# Altium PCB APC1_OBC.PcbDoc
Units mil, origin at the board's own origin, x right, y up, seen from the top; angles counter-clockwise.
Board outline 1732.28 x 1732.28 mil, 2 copper layers (Top Layer, Bottom Layer), stack 62.209 mil thick; 54 components, 78 nets, 325 pads, 219 vias.
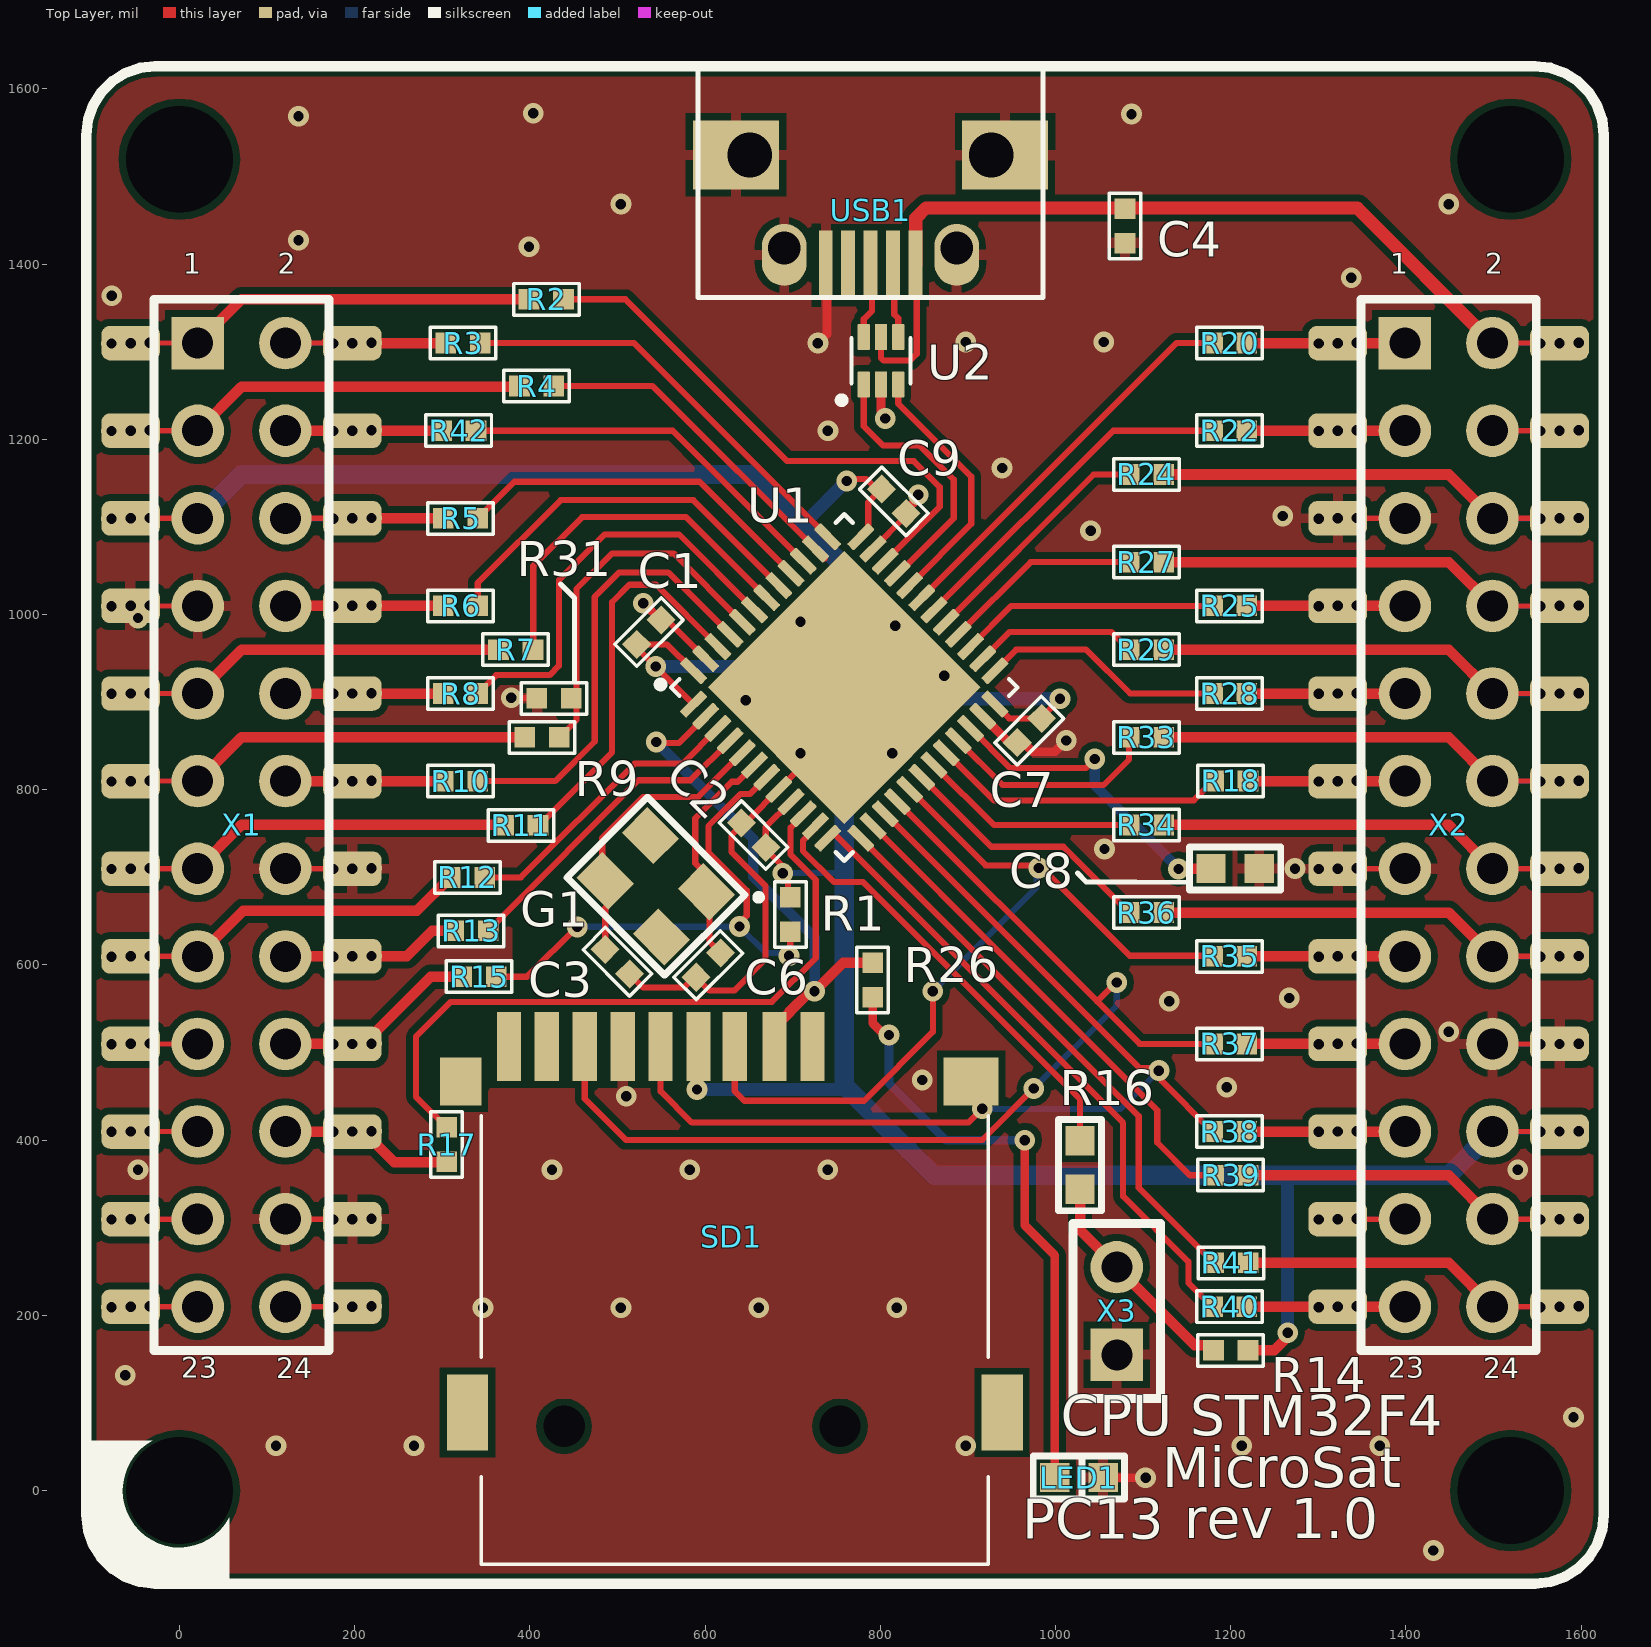
[diagram p0: Top Layer view]
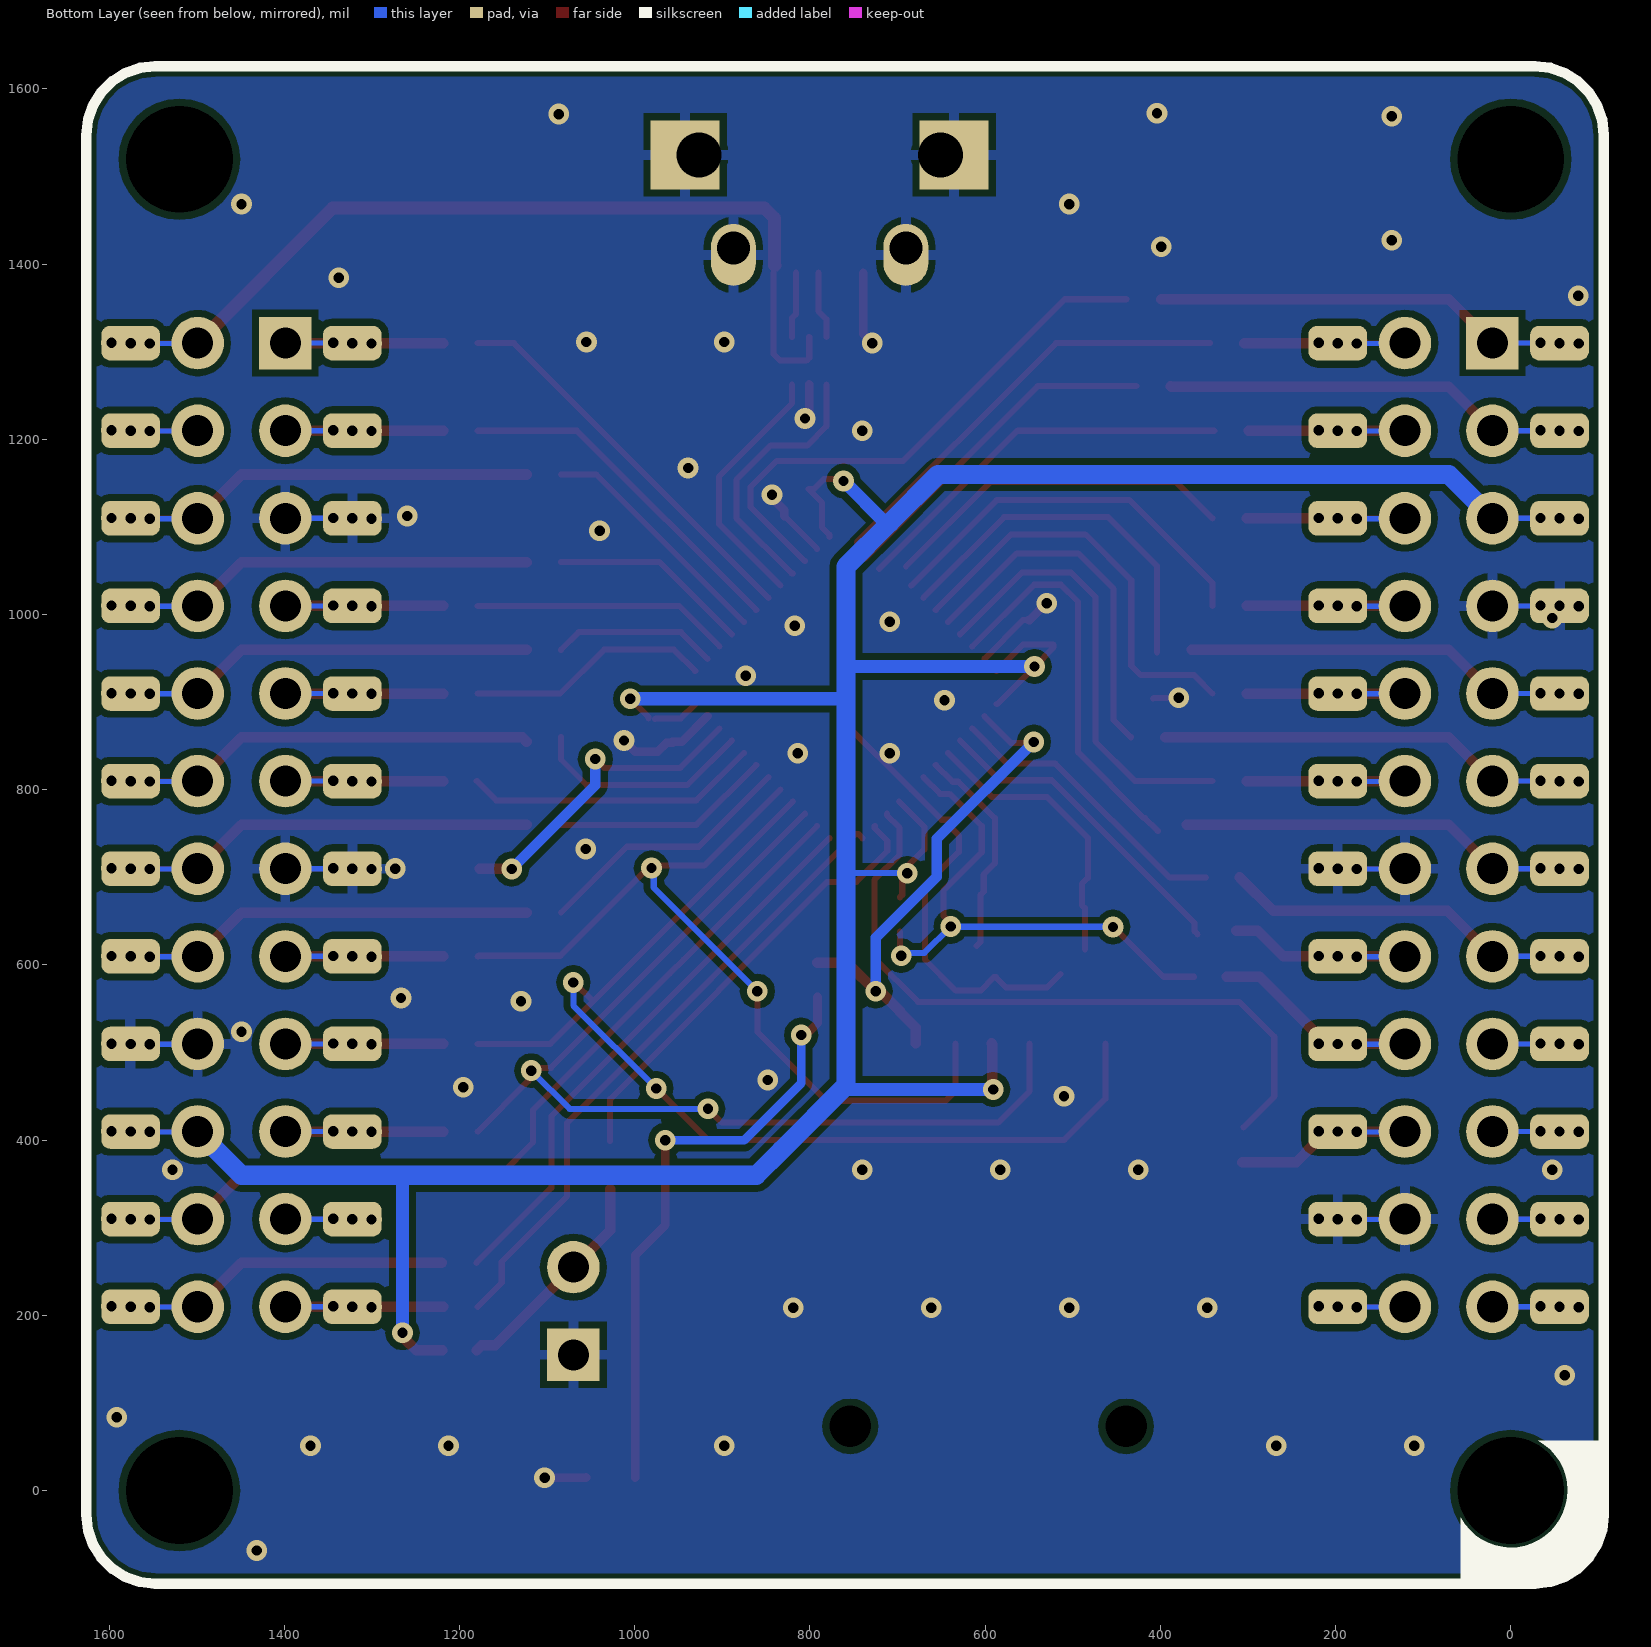
[diagram p1: Bottom Layer view, seen from below]

## Layer stack, top to bottom
Top Solder: solder mask 0.4, Solder Resist, Dk 3.5
Top Layer: signal copper 1.4
Dielectric 1: dielectric 59.4094, FR-4, Dk 4.8
Bottom Layer: signal copper 1.4
Bottom Solder: solder mask 0.4, Solder Resist, Dk 3.5

## Board outline
-106.3,-27.56 -104.33,-45.08 -98.5,-61.72 -89.12,-76.65 -76.65,-89.12 -61.72,-98.5 -45.08,-104.33 -27.56,-106.3 1547.24,-106.3 1564.77,-104.33 1581.41,-98.5 1596.34,-89.12 1608.81,-76.65 1618.19,-61.72 1624.01,-45.08 1625.98,-27.56 1625.98,1547.24 1624.01,1564.77 1618.19,1581.41 1608.81,1596.34 1596.34,1608.81 1581.41,1618.19 1564.77,1624.01 1547.24,1625.98 -27.56,1625.98 -45.08,1624.01 -61.72,1618.19 -76.65,1608.81 -89.12,1596.34 -98.5,1581.41 -104.33,1564.77 -106.3,1547.24

## Design rules (kind name [scope] priority, off if disabled: settings)
BoardOutlineClearance [All] p1: gap=11.81 ignorepadtopadclearanceinfootprint=FALSE
Clearance Clearance_MultiLayerPad [OnLayer('Multi-Layer') and IsPad] p1: gap=7.87 ignorepadtopadclearanceinfootprint=FALSE except(0: Arc-Hole Track-Hole SMDPad-Hole THPad-Hole Via-Hole Fill-Hole Poly-Hole Region-Hole Text-Hole)
Clearance Clearance_Polygon [InPolygon] p2: gap=5.91 ignorepadtopadclearanceinfootprint=FALSE except(0: Arc-Hole Track-Hole SMDPad-Hole THPad-Hole Via-Hole Fill-Hole Poly-Hole Region-Hole Text-Hole; 7.87: Arc-Poly Arc-Region Track-Poly Track-Region SMDPad-Poly SMDPad-Region THPad-Poly THPad-Region Via-Poly Via-Region Fill-Poly Fill-Region Poly-Poly Poly-Region)
Clearance [All] p3: gap=5.91 ignorepadtopadclearanceinfootprint=FALSE except(0: Arc-Hole Track-Hole SMDPad-Hole THPad-Hole Via-Hole Fill-Hole Poly-Hole Region-Hole Text-Hole)
ComponentClearance [All] p1: gap=19.68 collisioncheckmode=3 verticalgap=19.68 showdistances=FALSE
DiffPairsRouting [All] p1: maxlimit=15.75 minlimit=5.91 mostfreqgap=11.81 toplayer_minwidth=5.91 toplayer_maxwidth=11.81 toplayer_prefwidth=5.91 bottomlayer_minwidth=5.91 bottomlayer_maxwidth=11.81 bottomlayer_prefwidth=5.91 maxuncoupledlength=500
Height [All] p1: minheight=0 maxheight=1968.5 prefheight=500
HoleSize [All] p1: absolutevalues=TRUE maxlimit=393.7 minlimit=11.81 maxpercent=80.000 minpercent=20.000
HoleToHoleClearance [All] p1: gap=8 allowstackedmicrovias=TRUE
MinimumSolderMaskSliver [All] p1: minsoldermaskwidth=7.87
PlaneClearance [All] p1: clearance=19.68
PlaneConnect [All] p1: planeconnectstyle=Relief reliefexpansion=19.68 reliefentries=4 reliefconductorwidth=11.81 reliefairgap=7.87
PolygonConnect PolygonConnect_PadGND [InNet('GND') and IsPad] p1: connectstyle=Relief reliefconductorwidth=11.81 reliefentries=4 polygonreliefangle="90 Angle" airgapwidth=7.87
PolygonConnect PolygonConnect_Via [IsVia] p2: connectstyle=Direct reliefconductorwidth=10 reliefentries=4 polygonreliefangle="90 Angle" airgapwidth=10
PolygonConnect [All] p3: connectstyle=Relief reliefconductorwidth=11.81 reliefentries=4 polygonreliefangle="90 Angle" airgapwidth=7.87
RoutingVias [All] p1: holewidth=11.81 width=27.56 viastyle="Through Hole" minholewidth=11.81 minwidth=23.62 maxholewidth=19.68 maxwidth=47.24
SilkToSolderMaskClearance [IsPad] p1: minsilkscreentomaskgap=7.87 clearancetoexposedcopper=TRUE
SolderMaskExpansion [All] p1: expansion=2.95 istentingtop=FALSE
Width [All] p1: maxlimit=393.7 minlimit=6 preferedwidth=9
21 further rules are at their usual default settings.

## Components (designator, comment, footprint, x,y, rotation, side; value= is the part's Value field where it differs from the comment)
C1 "CERCAP 0402 0.1uF * X7R" "CERCAP 0402" 535.93,979.89 r225 top value=0.1uF
C2 "CERCAP 0402 0.1uF * X7R" "CERCAP 0402" 655.43,748.21 r315 top value=0.1uF
C3 "CERCAP 0402 22pF * X7R" "CERCAP 0402" 499.9,603.76 r135 top value=22pF
C4 "CERCAP 0402 0.1uF * X7R" "CERCAP 0402" 1079.45,1443.59 r90 top value=0.1uF
C6 "CERCAP 0402 22pF * X7R" "CERCAP 0402" 603.82,599.84 r45 top value=22pF
C7 "CERCAP 0402 0.1uF * X7R" "CERCAP 0402" 970.26,867.6 r45 top value=0.1uF
C8 "CERCAP 0603 4.7uF * X7R" "CERCAP 0603" 1205,710 r180 top value=4.7uF
C9 "CERCAP 0402 0.1uF * X7R" "CERCAP 0402" 815.46,1129.24 r135 top value=0.1uF
G1 "32258 MHz" 3225 543.82,689.84 r135 top value="8 MHz"
LED1 "LED 0603 Blue" "LED 0603" 1026.82,14.84 r0 top value=Blue
R1 "RES 0402 10k" "RES 0402" 697.3,657.62 r90 top value=10k
R2 "RES 0402 330" "RES 0402" 418.82,1359.84 r180 top value=330
R3 "RES 0402 330" "RES 0402" 323.82,1309.84 r0 top value=330
R4 "RES 0402 330" "RES 0402" 407.77,1260.78 r180 top value=330
R5 "RES 0402 330" "RES 0402" 320.87,1109.84 r0 top value=330
R6 "RES 0402 330" "RES 0402" 320.87,1009.84 r0 top value=330
R7 "RES 0402 330" "RES 0402" 383.82,959.84 r180 top value=330
R8 "RES 0402 330" "RES 0402" 320.87,909.84 r0 top value=330
R9 "RES 0402 330" "RES 0402" 413.82,859.84 r180 top value=330
R10 "RES 0402 330" "RES 0402" 320.87,809.84 r0 top value=330
R11 "RES 0402 330" "RES 0402" 389.67,759.36 r180 top value=330
R12 "RES 0402 330" "RES 0402" 328.82,699.84 r180 top value=330
R13 "RES 0402 330" "RES 0402" 332.9,638.86 r0 top value=330
R14 "RES 0402 10k" "RES 0402" 1200,160 r0 top value=10k
R15 "RES 0402 330" "RES 0402" 341.97,586.58 r0 top value=330
R16 "RES 0603 330" "RES 0603" 1028.08,371.59 r270 top value=330
R17 "RES 0402 330" "RES 0402" 305,395 r90 top value=330
R18 "RES 0402 330" "RES 0402" 1200,810 r0 top value=330
R20 "RES 0402 330" "RES 0402" 1198.82,1309.84 r0 top value=330
R22 "RES 0402 330" "RES 0402" 1198.82,1209.84 r0 top value=330
R24 "RES 0402 330" "RES 0402" 1103.82,1159.84 r180 top value=330
R25 "RES 0402 330" "RES 0402" 1198.82,1009.84 r0 top value=330
R26 "RES 0402 4.7k" "RES 0402" 791.33,582.95 r270 top value=4.7k
R27 "RES 0402 330" "RES 0402" 1103.82,1059.84 r180 top value=330
R28 "RES 0402 330" "RES 0402" 1198.82,909.84 r0 top value=330
R29 "RES 0402 330" "RES 0402" 1103.82,959.84 r180 top value=330
R31 "RES 0402 10k" "RES 0402" 427.7,904.33 r180 top value=10k
R33 "RES 0402 330" "RES 0402" 1103.82,859.84 r180 top value=330
R34 "RES 0402 330" "RES 0402" 1103.82,759.84 r180 top value=330
R35 "RES 0402 330" "RES 0402" 1198.82,609.84 r0 top value=330
R36 "RES 0402 330" "RES 0402" 1103.82,659.84 r180 top value=330
R37 "RES 0402 330" "RES 0402" 1198.82,509.84 r0 top value=330
R38 "RES 0402 330" "RES 0402" 1198.82,409.84 r0 top value=330
R39 "RES 0402 330" "RES 0402" 1200,360 r180 top value=330
R40 "RES 0402 330" "RES 0402" 1198.82,209.84 r0 top value=330
R41 "RES 0402 330" "RES 0402" 1200.32,260 r180 top value=330
R42 "RES 0402 330" "RES 0402" 318.82,1209.84 r0 top value=330
SD1 "TF-015" TF-015 630,290 r180 top
U1 "STM32F401CCU6" QFN-48 758.87,916.73 r45 top
U2 "USBLC6-2SC6" SOT-666 800.82,1289.68 r90 top
USB1 "C319164" USB-Micro_TH 788.87,1461.73 r0 top
X1 "PLD24 + PBD24" PICOSAT_CNN 70.87,759.84 r270 top
X2 "PLD24 + PBD24" PICOSAT_CNN 1448.82,759.84 r270 top
X3 "CWF-2" PBS-2-2.54 1070,205 r90 top

## Footprints (in the part's own frame and the unit in brackets; to place one, negate y for a bottom-side part, rotate by r counter-clockwise, add the part's x,y. Pads: shape width x height; smd on the part's side, far side on the other; paste and mask are expansions set on the pad)
3225 [mm]
  rect 1.3x1.05 smd: 1(-1.15,-0.925) 2(1.15,-0.925) 3(1.15,0.925) 4(-1.15,0.925)
  silkscreen extent -2.39,-1.94 2,1.65, body extent -1.6,-1.25 1.6,1.25, height 0.81
"CERCAP 0402" [mm]
  rect 0.6x0.6 smd: 1(-0.5,0) 2(0.5,0)
  silkscreen extent -0.96,-0.46 0.95,0.46, body extent -0.51,-0.25 0.51,0.25, height 0.51
"CERCAP 0603" [mm]
  rect 0.85x0.85 smd: 1(-0.7,0) 2(0.7,0)
  silkscreen extent -1.33,-0.63 1.33,0.63, body extent -0.8,-0.4 0.8,0.4, height 0.3
"LED 0603" [mm]
  rect 0.85x0.85 smd: 1(-0.7,0) 2(0.7,0)
  silkscreen extent -1.33,-0.63 1.33,0.63, body extent -0.8,-0.4 0.8,0.4, height 0.6
PBS-2-2.54 [mil]
  rect 60x60 hole 35.43: 1(-50,0)
  round 60 hole 35.43: 2(50,0)
  silkscreen extent -100,-50 100,50
PICOSAT_CNN [mil]
  rrect50% 39.37x66.93 smd: 1(-550,-126.57) 2(-550,126.57) 3(-450,-126.57) 4(-450,126.57) 5(-350,-126.57) 6(-350,126.57) 7(-250,-126.57) 8(-250,126.57) 9(-150,-126.57) 10(-150,126.57) 11(-50,-126.57) 12(-50,126.57) 13(50,-126.57) 14(50,126.57) 15(150,-126.57) 16(150,126.57) 17(250,-126.57) 18(250,126.57) 19(350,-126.57) 20(350,126.57) 21(450,-126.57) 22(450,126.57) 23(550,-126.57) 24(550,126.57)
  rrect50% 39.37x66.93 smd far side: 1(-550,-126.57) 2(-550,126.57) 3(-450,-126.57) 4(-450,126.57) 5(-350,-126.57) 6(-350,126.57) 7(-250,-126.57) 8(-250,126.57) 9(-150,-126.57) 10(-150,126.57) 11(-50,-126.57) 12(-50,126.57) 13(50,-126.57) 14(50,126.57) 15(150,-126.57) 16(150,126.57) 17(250,-126.57) 18(250,126.57) 19(350,-126.57) 20(350,126.57) 21(450,-126.57) 22(450,126.57) 23(550,-126.57) 24(550,126.57)
  rect 60x60 hole 35.43: 1(-550,-50)
  round 60 hole 35.43: 2(-550,50) 3(-450,-50) 4(-450,50) 5(-350,-50) 6(-350,50) 7(-250,-50) 8(-250,50) 9(-150,-50) 10(-150,50) 11(-50,-50) 12(-50,50) 13(50,-50) 14(50,50) 15(150,-50) 16(150,50) 17(250,-50) 18(250,50) 19(350,-50) 20(350,50) 21(450,-50) 22(450,50) 23(550,-50) 24(550,50)
  Top Layer lines w6: 550,-104.75 550,-50 ; 450,-104.75 450,-50 ; 350,-104.75 350,-50 ; 250,-104.75 250,-50 ; 150,-104.75 150,-50 ; 50,-104.75 50,-50 ; -50,-104.75 -50,-50 ; -150,-104.75 -150,-50 ; -250,-104.75 -250,-50 ; -350,-104.75 -350,-50 ; -450,-104.75 -450,-50 ; -550,-104.75 -550,-50 ; 550,50 550,104.75 ; 450,50 450,104.75 ; 350,50 350,104.75 ; 250,50 250,104.75 ; 150,50 150,104.75 ; 50,50 50,104.75 ; -50,50 -50,104.75 ; -150,50 -150,104.75 ; -250,50 -250,104.75 ; -350,50 -350,104.75 ; -450,50 -450,104.75 ; -550,50 -550,104.75
  Bottom Layer lines w6: 550,-104.75 550,-50 ; 450,-104.75 450,-50 ; 350,-104.75 350,-50 ; 250,-104.75 250,-50 ; 150,-104.75 150,-50 ; 50,-104.75 50,-50 ; -50,-104.75 -50,-50 ; -150,-104.75 -150,-50 ; -250,-104.75 -250,-50 ; -350,-104.75 -350,-50 ; -450,-104.75 -450,-50 ; -550,-104.75 -550,-50 ; 550.41,50 550.41,104.75 ; 450.41,50 450.41,104.75 ; 350.41,50 350.41,104.75 ; 250.41,50 250.41,104.75 ; 150.41,50 150.41,104.75 ; 50.41,50 50.41,104.75 ; -49.59,50 -49.59,104.75 ; -149.59,50 -149.59,104.75 ; -249.59,50 -249.59,104.75 ; -349.59,50 -349.59,104.75 ; -449.59,50 -449.59,104.75 ; -549.59,50 -549.59,104.75
  Bottom Layer lines w7.87: -549.59,50 -550,50
  silkscreen extent -600,-100 600,100, body extent -600,-148 600,148, height 386
QFN-48 [mm]
  rrect25% 0.87x0.27 smd: 1(-3.43,2.75) 2(-3.43,2.25) 3(-3.43,1.75) 4(-3.43,1.25) 5(-3.43,0.75) 6(-3.43,0.25) 7(-3.43,-0.25) 8(-3.43,-0.75) 9(-3.43,-1.25) 10(-3.43,-1.75) 11(-3.43,-2.25) 12(-3.43,-2.75) 25(3.43,-2.75) 26(3.43,-2.25) 27(3.43,-1.75) 28(3.43,-1.25) 29(3.43,-0.75) 30(3.43,-0.25) 31(3.43,0.25) 32(3.43,0.75) 33(3.43,1.25) 34(3.43,1.75) 35(3.43,2.25) 36(3.43,2.75)
  rrect25% 0.27x0.87 smd: 13(-2.75,-3.43) 14(-2.25,-3.43) 15(-1.75,-3.43) 16(-1.25,-3.43) 17(-0.75,-3.43) 18(-0.25,-3.43) 19(0.25,-3.43) 20(0.75,-3.43) 21(1.25,-3.43) 22(1.75,-3.43) 23(2.25,-3.43) 24(2.75,-3.43) 37(2.75,3.43) 38(2.25,3.43) 39(1.75,3.43) 40(1.25,3.43) 41(0.75,3.43) 42(0.25,3.43) 43(-0.25,3.43) 44(-0.75,3.43) 45(-1.25,3.43) 46(-1.75,3.43) 47(-2.25,3.43) 48(-2.75,3.43)
  rect 5.6x5.6 smd paste-4: TH(0,0)
  silkscreen extent -3.8,-3.55 3.55,3.93, body extent -3.51,-3.51 3.51,3.51, height 0.78
"RES 0402" [mm]
  rect 0.6x0.6 smd: 1(-0.5,0) 2(0.5,0)
  silkscreen extent -0.95,-0.46 0.95,0.46, body extent -0.52,-0.25 0.48,0.25, height 0.34
"RES 0603" [mm]
  rect 0.85x0.85 smd: 1(-0.7,0) 2(0.7,0)
  silkscreen extent -1.33,-0.63 1.33,0.63, body extent -0.8,-0.4 0.8,0.4, height 0.44
SOT-666 [mm]
  rrect8% 0.75x0.35 smd: 1(-0.69,0.5) 2(-0.69,0) 3(-0.69,-0.5) 4(0.69,-0.5) 5(0.69,0) 6(0.69,0.5)
  silkscreen extent -1.24,-0.85 0.65,1.24, body extent -0.8,-0.8 0.8,0.8, height 0.6
TF-015 [mm]
  rect 0.7x2 smd: 1(-2.35,-5.504) 2(-1.25,-5.504) 3(-0.1,-5.504) 4(0.95,-5.504) 5(2.05,-5.504) 6(3.15,-5.504) 7(4.25,-5.504) 8(5.35,-5.504) 9(6.45,-5.504)
  round 0.6 hole 1.2 unplated: 14(4.85,5.504) 15(-3.15,5.504)
  rect 1.2x2.2 smd: TH(-7.85,5.104) TH(7.65,5.104)
  rect 1.6x1.4 smd: TH(-6.95,-4.496)
  rect 1.2x1.4 smd: TH(7.85,-4.496)
  silkscreen extent -7.45,-3.5 7.25,9.5, body extent -8.1,-5.75 7.9,11.3, height 2.04
USB-Micro_TH [mm]
  rect 0.4x2 smd: DM(0.65,-1.6) DP(0,-1.6) GND(-1.3,-1.6) ID(-0.65,-1.6) Vusb(1.3,-1.6)
  rect 2.5x2 / inner rect 2.5x2 / far side rect 2x2 hole 1.3 copper offset -0.4,0: TH(-3.5,1.6)
  oval 1.3x1.8 hole 0.95 copper offset 0,-0.2: TH(-2.5,-1.1) TH(2.5,-1.1)
  rect 2.5x2 / inner rect 2.5x2 / far side rect 2x2 hole 1.3 copper offset 0.4,0: TH(3.5,1.6)
  silkscreen extent -5,-2.54 5,4.23, body extent -4.05,-1.58 4,4.23, height 2.7

## Part data
C1 C2 C3 C4 C6 C7 C8 C9: library part !Capacitor, "Capacitor", Diel=X7R, IsSMT=NoSMT
G1: library part Crystal, "Crystal", IsSMT=NoSMT
LED1: library part LED, "Light Emittering Diode", IsSMT=NoSMT
R1 R2 R3 R4 R5 R6 R7 R8 R9 R10 R11 R12 R13 R14 R15 R16 R17 R18 R20 R22 R24 R25 R26 R27 R28 R29 R31 R33 R34 R35 R36 R37 R38 R39 R40 R41 R42: library part !Resistor, "Resistor", IsSMT=NoSMT
SD1: "Connector", Manufacturer_Name=SOFNG, Datasheet Link=https://datasheet.lcsc.com/szlcsc/SOFNG-TF-015_C113206.pdf, Height=1.7mm, Manufacturer_Part_Number=TF-015, Order="SD-CARD holder as in cansat"
U1: "Cortex-M4"
U2: "Integrated Circuit", JLCPCB Placement=Extended, LCSC Part #=C7519, HelpURL=https://datasheet.lcsc.com/szlcsc/STMicroelectronics-USBLC6-2SC6_C7519.pdf, Order=USBLC6-2SC6
USB1: library part USB(5p), "USB 5-pin", IsSMT=NoSMT
X1 X2: library part "Header 2x12", "10x2 header", IsSMT=NoSMT
  X1: Purpose=BUS_Left
  X2: Purpose=BUS_Right
X3: library part "Header 1x2", "2x1 header", IsSMT=NoSMT, Purpose="Sun Sensor"

## Free pads (board coordinates)
  round 118.11 hole 122.05: 1(0,0) 1(0,1519.68) 1(1519.69,0) 1(1519.69,1519.68)

## Via types
v1: diameter 23.62, hole 11.81, Top Layer to Bottom Layer, tented both sides, 219 vias

## Nets (pads, with @x,y where several pads share a name; then routed paths per layer and width w, separated by ;. In a path a pad name is that pad's centre, name@x,y a point inside that pad or via, vN(x,y) a via of type N, cw(c..) or ccw(c..) an arc to the next point about the centre after c; other vN are vias at no path point)
+3.3V: C1.2 C2.2 C7.2 C9.2 R1.2 R14.2 SD1.4 U1.1 U1.9 U1.24 U1.36 U1.48 X1.5 X2.20 | length 3772.3
  Top Layer w7: U1.1 586.41,897.8 v1(543.58,940.63) 522.01,962.2 C1.2 556.51,965.97 U1.48 ; v1(688.84,704.66) v1@692.77,708.59 ; R1.2 694.57,680.03 694.57,706.79 669.35,732.01 669.35,746.05 669.28,746.12 669.28,757.54 U1.9 ; v1@763.82,1154.84 783.82,1154.84 795.5,1143.16 C9.2 786.27,1127.89 786.27,1099.8 777.8,1091.34 U1.36 ; U1.24 947.2,881.52 976.01,881.52 C7.2@976.92,880.6 ; C7.2 984.17,882.88 v1(1005.12,903.83)
  Top Layer w12: v1(590.77,457.88) 591.68,458.79 591.68,509.52 SD1.4@592.6,510.43 ; R14.2 1249.5,160 1262.78,173.28 1262.78,177.78 v1(1265,180)
  Bottom Layer w7: v1(688.84,704.66) 689.08,704.89 758.77,704.89 758.82,704.84 ; 708.82,1104.84 714.05,1104.84 ; 758.03,940.63 758.82,939.84 ; 758.82,904.84 759.83,903.83 ; 933.82,359.84 936.22,362.24
  Bottom Layer w12: 754.37,457.88 758.82,462.33 ; 827.56,388.58 832.56,388.58
  Bottom Layer w15: v1(543.58,940.63) 758.03,940.63 ; v1(590.77,457.88) 754.37,457.88 ; 714.05,1104.84 v1(761.68,1152.47) ; 759.83,903.83 v1(1005.12,903.83) ; v1(1265,180) 1265,359.84
  Bottom Layer w22: X1.5@20.87,1109.84 70.87,1159.84 653.82,1159.84 708.82,1104.84 758.82,1054.84 758.82,939.84 758.82,904.84 758.82,704.84 758.82,462.33 832.56,388.58 861.3,359.84 933.82,359.84 1265,359.84 1448.82,359.84 X2.20@1498.82,409.84
  other v1: 1553.57,409.44 1575.39,409.84 1597.22,410.24 -77.53,1109.44 -55.71,1109.84 -33.88,1110.24
+5V_USB: C4.2 U2.5 USB1.Vusb X2.2 | length 942.7
  Top Layer w7: U2.5 800.82,1292.84 803.82,1289.84 833.82,1289.84 841.57,1297.6 USB1.Vusb@841.57,1390.16
  Top Layer w15: USB1.Vusb 840.43,1399.11 840.43,1452.41 852.08,1464.06 1344.6,1464.06 X2.2@1498.79,1309.87
  other v1: 1553.57,1309.44 1575.39,1309.84 1597.22,1310.24
BOOT0: R9.1 R31.1 U1.44 | length 416.2
  Top Layer w7: R9.1 453.25,879.59 453.25,1029.27 493.82,1069.84 564,1069.84 U1.44
CPU_BOOT_RX: R20.1 U1.31 | length 452.1
  Top Layer w7: U1.31 1138.07,1309.84 R20.1
CPU_BOOT_TX: R22.1 U1.30 | length 402.6
  Top Layer w7: U1.30 1065.91,1209.84 R22.1
GND: C1.1 C2.1 C3.1 C4.1 C6.1 C7.1 C8.1 C9.1 LED1.2 R31.2 SD1.6 U1.8 U1.23 U1.35 U1.47 U2.2 USB1.GND USB1.TH X1.7 X1.14 X1.22 X2.5 X2.13 X2.18 X3.1 | length 1071.4
  Top Layer w7: v1(378.82,904.84) 407.5,904.84 R31.2 ; C3.1 529.51,574.15 575.92,574.15 587.69,585.92 C6.1 605.05,570.78 633.38,570.78 668.82,606.21 668.82,690.21 629.99,729.03 629.99,747.9 641.51,759.42 C2.1 ; C1.1 556.43,993.81 U1.47@600.67,949.58 ; C2.1@639.06,765.22 639.59,765.76 649.66,765.76 U1.8 758.87,874.97 758.87,916.73 ; U1.35 C9.1@829.38,1112.51
  Top Layer w10: v1(529.53,1012.83) 530.18,1012.83 549.2,993.81 C1.1 ; v1(728.82,1309.84) 739.21,1320.24 USB1.GND@739.21,1390.16 ; U2.2 800.82,1232.28 805.67,1227.44 v1(805.67,1223.75) ; C9.1@829.38,1112.51 C9.1 829.38,1119.01 843.27,1132.9 v1(843.27,1136.58) ; U1.23 946,854.88 C7.1@956.93,854.88 ; C7.1 963.55,853.68 973.9,843.34 999.32,843.34 v1(1012.17,856.19) ; LED1.2@1055.36,14.84 1055.64,14.56 v1(1102.86,14.56)
  other v1: 1431.41,-68.36 110.24,51.18 267.72,51.18 897.64,51.18 1212.6,51.18 1370.08,51.18 1591.32,83.77 -61.74,131.64 346.46,208.66 503.94,208.66 661.42,208.66 818.9,208.66 175.61,309.44 197.44,309.84 219.26,310.24 -47.24,366.14 425.2,366.14 582.68,366.14 740.16,366.14 1527.56,366.14 510,450 1195.55,460.45 848.02,468.71 1553.57,509.44 1575.39,509.84 1597.22,510.24 1448.82,523.62 1129.83,558.72 1266.69,562.34 175.61,709.44 1300.42,709.44 197.44,709.84 219.26,710.24 1273.49,709.99 1322.25,709.84 1344.07,710.24 1056.02,732.31 708.87,841.73 813.87,841.73 646.35,902.09 873.17,929.96 817.24,987.32 708.87,991.73 -47.24,996.06 -77.53,1009.44 -55.71,1009.84 -33.88,1010.24 1040.08,1095.51 1300.42,1109.44 1322.25,1109.84 1344.07,1110.24 1259.46,1112.49 939.07,1167.27 740.24,1209.77 897.64,1311.02 1055.12,1311.02 -77.13,1364.05 1337.78,1384.51 398.99,1419.92 135.83,1427.21 503.94,1468.5 1448.82,1468.5 135.83,1568.91 1086.72,1571.25 403.85,1572.15
LED: LED1.1 R26.2 | length 689.6
  Top Layer w10: R26.2 791.33,533.52 v1@808,516.85 ; v1(965,400) 965,302.93 999.26,268.67 LED1.1
  Bottom Layer w10: v1(810,520) 810,465 875,400 v1(965,400)
MCU_RX1_a: R8.2 U1.43 | length 484
  Top Layer w7: R8.2 361.52,930.81 422.48,930.81 433.24,941.57 433.24,1039.26 485.41,1091.43 570.25,1091.43 U1.43
MCU_RX2: R41.2 U1.13 | length 651.5
  Top Layer w7: U1.13 1095,427.49 1095,345.63 R41.2
MCU_TX1_a: R7.1 U1.42 | length 426.2
  Top Layer w7: R7.1@403.82,956.99 403.82,1055.46 459.61,1111.25 578.27,1111.25 U1.42
MCU_TX2: R40.1 U1.12 | length 728
  Top Layer w7: U1.12 744.82,749.56 747.39,749.56 1077.19,419.75 1077.19,335.75 1151.72,261.22 1151.72,237.26 R40.1
MISO: R37.1 SD1.7 U1.16 | length 1284
  Top Layer w7: SD1.7@462.68,510.43 462.68,447.32 509.62,400.38 916.71,400.38 v1(975.33,459) ; U1.16 1047.49,558.51 ; v1@1068.82,579.84 1047.49,558.51 ; R37.1 1096.16,509.84 1047.49,558.51
  Bottom Layer w7: v1(975.33,459) 1070,553.67 v1(1070,580)
MOSI: R35.1 SD1.3 U1.17 | length 979.3
  Top Layer w7: SD1.3@633.94,510.43 633.94,456.06 645,445 781.52,445 860,523.48 v1(860,570) ; U1.17 920.24,713.6 981.75,713.6 1084.79,610.56 1178.41,610.56 R35.1
  Bottom Layer w7: v1(860,570) 978.28,688.28 978.28,708.04 v1(980.84,710.6)
NetR2_2: R2.2 X1.1 | length 399
  Top Layer w12: X1.1@20.87,1309.84 70.87,1359.84 R2.2
  other v1: -77.53,1309.44 -55.71,1309.84 -33.88,1310.24
NetR3_1: R3.1 X1.2 | length 136.3
  Top Layer w12: X1.2@168.11,1310.53 168.8,1309.84 R3.1
  other v1: 175.61,1309.44 197.44,1309.84 219.26,1310.24
NetR4_2: R4.2 X1.3 | length 388.3
  Top Layer w12: X1.3@20.87,1209.84 70.87,1259.84 387.15,1259.84 R4.2
  other v1: -77.53,1209.44 -55.71,1209.84 -33.88,1210.24
NetR5_1: R5.1 X1.6 | length 103.2
  Top Layer w12: X1.6@199.81,1105.44 204.21,1109.84 R5.1
  other v1: 175.61,1109.44 197.44,1109.84 219.26,1110.24
NetR6_1: R6.1 X1.8 | length 180.3
  Top Layer w12: X1.8@120.87,1009.84 R6.1
  other v1: 175.61,1009.44 197.44,1009.84 219.26,1010.24
NetR7_2: R7.2 X1.9 | length 364
  Top Layer w12: X1.9@20.87,909.84 70.87,959.84 R7.2
  other v1: -77.53,909.44 -55.71,909.84 -33.88,910.24
NetR8_1: R8.1 X1.10 | length 180.3
  Top Layer w12: X1.10@120.87,909.84 R8.1
  other v1: 175.61,909.44 197.44,909.84 219.26,910.24
NetR9_2: R9.2 X1.11 | length 394
  Top Layer w12: X1.11@20.87,809.84 70.87,859.84 R9.2
  other v1: -77.53,809.44 -55.71,809.84 -33.88,810.24
NetR10_1: R10.1 X1.12 | length 180.3
  Top Layer w12: X1.12@120.87,809.84 R10.1
  other v1: 175.61,809.44 197.44,809.84 219.26,810.24
NetR11_2: R11.2 X1.13 | length 369.8
  Top Layer w12: X1.13@20.87,709.84 70.87,759.84 R11.2@369.98,759.84
  other v1: -77.53,709.44 -55.71,709.84 -33.88,710.24
NetR12_2: R12.2 X1.15 | length 325.5
  Top Layer w12: X1.15@20.87,609.84 72.71,661.68 270.97,661.68 R12.2
  other v1: -77.53,609.44 -55.71,609.84 -33.88,610.24
NetR13_1: R13.1 X1.16 | length 204.3
  Top Layer w12: X1.16@120.87,609.84 X1.16@177.69,609.84 ; X1.16@177.69,609.92 259.72,609.92 288.65,638.86 R13.1
  other v1: 175.61,609.44 197.44,609.84 219.26,610.24
NetR14_1: R14.1 R16.2 X3.2 | length 256.1
  Top Layer w12: R16.2 1028.08,296.92 X3.2 1159.19,165.81 1174.5,165.81 R14.1
NetR15_1: R15.1 X1.18 | length 235.3
  Top Layer w12: X1.18@120.87,509.84 X1.18@177.69,509.84 ; X1.18@177.69,509.92 210.5,509.92 224.03,523.45 224.03,523.91 286.7,586.58 R15.1@324.12,586.58
  other v1: 175.61,509.44 197.44,509.84 219.26,510.24
NetR17_1: R17.1 X1.20 | length 200.2
  Top Layer w12: X1.20@120.87,409.84 X1.20@177.71,409.84 ; X1.20@177.71,409.92 210.53,409.92 224.05,396.4 224.05,395.95 245,375 R17.1@306.36,375
  other v1: 175.61,409.44 197.44,409.84 219.26,410.24
NetR18_2: R18.2 X2.11 | length 180.3
  Top Layer w12: R18.2@1218.5,809.84 X2.11@1398.82,809.84
  other v1: 1300.42,809.44 1322.25,809.84 1344.07,810.24
NetR20_2: R20.2 X2.1 | length 180.3
  Top Layer w12: R20.2 X2.1@1398.82,1309.84
  other v1: 1300.42,1309.44 1322.25,1309.84 1344.07,1310.24
NetR22_2: R22.2 X2.3 | length 180.3
  Top Layer w12: R22.2 X2.3@1398.82,1209.84
  other v1: 1300.42,1209.44 1322.25,1209.84 1344.07,1210.24
NetR24_1: R24.1 X2.6 | length 396
  Top Layer w12: R24.1 1448.82,1159.84 X2.6@1498.82,1109.84
  other v1: 1553.57,1109.44 1575.39,1109.84 1597.22,1110.24
NetR25_2: R25.2 X2.7 | length 180.3
  Top Layer w12: R25.2 X2.7@1398.82,1009.84
  other v1: 1300.42,1009.44 1322.25,1009.84 1344.07,1010.24
NetR27_1: R27.1 X2.8 | length 396
  Top Layer w12: R27.1 1448.82,1059.84 X2.8@1498.82,1009.84
  other v1: 1553.57,1009.44 1575.39,1009.84 1597.22,1010.24
NetR28_2: R28.2 X2.9 | length 180.3
  Top Layer w12: R28.2 X2.9@1398.82,909.84
  other v1: 1300.42,909.44 1322.25,909.84 1344.07,910.24
NetR29_1: R29.1 X2.10 | length 396
  Top Layer w12: R29.1 1448.82,959.84 X2.10@1498.82,909.84
  other v1: 1553.57,909.44 1575.39,909.84 1597.22,910.24
NetR33_1: R33.1 X2.12 | length 398.1
  Top Layer w12: R33.1@1123.5,854.84 1128.5,859.84 1448.82,859.84 X2.12@1498.82,809.84
  other v1: 1553.57,809.44 1575.39,809.84 1597.22,810.24
NetR34_1: R34.1 X2.14 | length 396
  Top Layer w12: R34.1 1448.82,759.84 X2.14@1498.82,709.84
  other v1: 1553.57,709.44 1575.39,709.84 1597.22,710.24
NetR35_2: R35.2 X2.15 | length 180.3
  Top Layer w12: R35.2 X2.15@1398.82,609.84
  other v1: 1300.42,609.44 1322.25,609.84 1344.07,610.24
NetR36_1: R36.1 X2.16 | length 396
  Top Layer w12: R36.1 1448.82,659.84 X2.16@1498.82,609.84
  other v1: 1553.57,609.44 1575.39,609.84 1597.22,610.24
NetR37_2: R37.2 X2.17 | length 180.3
  Top Layer w12: R37.2 X2.17@1398.82,509.84
  other v1: 1300.42,509.44 1322.25,509.84 1344.07,510.24
NetR38_2: R38.2 X2.19 | length 180.3
  Top Layer w12: R38.2 X2.19@1398.82,409.84
  other v1: 1300.42,409.44 1322.25,409.84 1344.07,410.24
NetR39_1: R39.1 X2.22 | length 299.9
  Top Layer w12: R39.1 1219.84,359.84 1448.82,359.84 X2.22@1498.82,309.84
  other v1: 1553.57,309.44 1575.39,309.84 1597.22,310.24
NetR40_2: R40.2 X2.23 | length 180.3
  Top Layer w12: R40.2 X2.23@1398.82,209.84
  other v1: 1300.42,209.44 1322.25,209.84 1344.07,210.24
NetR41_1: R41.1 X2.24 | length 299.6
  Top Layer w12: R41.1 1220.16,259.84 1448.82,259.84 X2.24@1498.82,209.84
  other v1: 1553.57,209.44 1575.39,209.84 1597.22,210.24
NetR42_1: R42.1 X1.4 | length 178.3
  Top Layer w12: X1.4@120.87,1209.84 R42.1
  other v1: 175.61,1209.44 197.44,1209.84 219.26,1210.24
OSCin: C3.2 G1.3 U1.5 | length 331.8
  Top Layer w7: C3.2 485.98,629.43 486.05,629.51 486.05,664.86 489.53,668.34 489.53,692.63 482.57,699.59 482.57,744.93 529.44,791.8 592.19,791.8 U1.5
OSCout: C6.2 G1.1 U1.6 | length 246.8
  Top Layer w7: C6.2@609.58,621.88 605.06,626.4 605.06,680.1 G1.1 601.58,703.29 588.82,716.05 588.82,767.39 630.52,809.09 637.17,809.09 U1.6@656.28,828.2
PA1: R16.1 U1.11 | length 515.9
  Top Layer w7: U1.11 726.02,756.03 711.72,741.74 711.72,730.06 747,694.78 780.22,694.78 1028.08,446.92 R16.1
PA4: R39.2 U1.14 | length 575.3
  Top Layer w7: U1.14 944.27,606.06 960.04,590.29 1116.2,434.12 1116.2,397.31 1153.51,360 R39.2
PA8: R24.2 U1.29 | length 278.7
  Top Layer w7: U1.29 1043.75,1159.84 R24.2
PA15: R4.1 U1.38 | length 391
  Top Layer w7: R4.1 540.1,1260.78 U1.38@736.91,1063.96
PB0: R36.2 U1.18 | length 300.7
  Top Layer w7: U1.18 926.84,734.84 1009.13,734.84 R36.2
PB1: R34.2 U1.19 | length 251.1
  Top Layer w7: U1.19 929.68,759.84 R34.2
PB2: R18.1 U1.20 | length 336.8
  Top Layer w7: U1.20 929.62,787.74 1158.05,787.74 R18.1
PB3: R42.2 U1.39 | length 447.6
  Top Layer w7: R42.2 563.19,1209.84 U1.39@720.82,1052.21
PB4: R5.2 U1.40 | length 407.1
  Top Layer w7: R5.2 382.24,1151.53 593.67,1151.53 U1.40@690.32,1054.88
PB5: R6.2 U1.41 | length 449.6
  Top Layer w7: R6.2 340.55,1036.11 435.11,1130.68 586.68,1130.68 U1.41
PB10: R33.2 U1.21 | length 253.3
  Top Layer w7: U1.21 939.8,805.4 1055.03,805.4 1084.13,834.5 R33.2
PB12: R28.1 U1.25 | length 279.1
  Top Layer w7: U1.25 955.26,960 1035,960 1085.16,909.84 R28.1
PB13: R29.2 U1.26 | length 188.1
  Top Layer w7: U1.26 947.42,980 1063.98,980 R29.2
PB14: R25.1 U1.27 | length 295.3
  Top Layer w7: U1.27 949.43,1009.84 R25.1
PB15: R27.2 U1.28 | length 229.1
  Top Layer w7: U1.28 971.59,1059.84 R27.2
PC13: R26.1 SD1.2 U1.2 | length 590.2
  Top Layer w7: v1(544.33,854.49) 545.55,853.27 570.15,853.27 U1.2
  Top Layer w12: SD1.2@679.21,510.43 679.21,528.15 696.83,545.77 696.83,546.86 717.75,567.78 722.78,567.78 757.63,602.63 R26.1
  Bottom Layer w12: v1(544.33,854.49) 655,743.82 655,700.81 725,630.81 v1(725,570)
PC14: R12.1 U1.3 | length 337.3
  Top Layer w7: R12.1@347.84,699.84 389.67,699.84 519.67,829.84 574.55,829.84 U1.3
PC15: R13.2 U1.4 | length 368.3
  Top Layer w7: R13.2@357.51,634.84 360.9,638.23 360.9,647.75 523.93,810.78 583.33,810.78 U1.4
RST: R1.1 R15.2 U1.7 | length 628
  Top Layer w7: R15.2 396.58,586.58 v1@455,645 ; v1(639.26,643.8) 639.26,647.89 647.59,656.21 647.59,684.78 603.82,728.55 603.82,758.6 640.54,795.33 651.39,795.33 U1.7 ; v1@695,610 697.3,612.3 R1.1
  Bottom Layer w7: v1(454.06,643.34) 454.29,643.57 639.03,643.57 v1(639.26,643.8) 669.24,613.82 692.58,613.82 v1(695.76,610.64)
SCK: R38.1 SD1.5 U1.15 | length 1191.6
  Top Layer w7: SD1.5@549.29,510.43 549.29,455.71 585,420 900.45,420 916.19,435.74 v1(916.27,435.74) ; U1.15 1095.76,482.41 1115.07,482.41 v1(1118.07,479.41) 1121.25,476.23 1121.25,467.73 R38.1
  Bottom Layer w7: v1(916.27,435.74) 1074.4,435.74 v1(1118.07,479.41)
SCL: R10.2 U1.45 | length 512.7
  Top Layer w7: R10.2 428.82,809.84 474.03,855.05 474.03,1020.05 502.12,1048.14 557.86,1048.14 U1.45
SDA: R11.1 U1.46 | length 457.8
  Top Layer w7: R11.1@403,753.01 417.66,767.67 418.84,767.67 493.82,842.65 493.82,1014.29 513.58,1034.05 544.12,1034.05 U1.46
SWCLK: R3.2 U1.37 | length 497.1
  Top Layer w7: R3.2 518.92,1309.8 U1.37@746.43,1082.28
SWIO: R2.1 U1.34 | length 628.4
  Top Layer w7: R2.1 509.1,1359.84 693.75,1175.19 838.17,1175.19 867.83,1145.53 867.83,1123.03 U1.34@805.74,1060.93
USB_D+: U1.33 U2.1 | length 310
  Top Layer w7: U2.1 781.13,1214.87 803.2,1192.81 845.11,1192.81 883.82,1154.1 883.82,1109.84 820.99,1047.01 U1.33
USB_D-: U1.32 U2.3 | length 293.1
  Top Layer w7: U2.3 820.5,1240.73 903.82,1157.41 903.82,1103.43 U1.32
USBc_N: U2.4 USB1.DM | length 75.2
  Top Layer w7: USB1.DM@815.98,1390.16 815.98,1342.68 820.5,1338.16 U2.4
USBc_P: U2.6 USB1.DP | length 77.2
  Top Layer w7: U2.6 781.13,1337.16 790.39,1346.42 USB1.DP@790.39,1390.16
Vbat_ADC: R17.2 U1.10 | length 794
  Top Layer w7: R17.2 270,449.68 270,518.15 309.72,557.87 430,557.87 676.34,557.87 726.35,607.87 726.35,697.16 697.61,725.9 697.61,756.6 712.1,771.1 U1.10
VCAP: C8.2 U1.22 | length 366.8
  Top Layer w7: U1.22 948.04,825 1035,825 v1(1045,835) ; C8.2@1177.04,709.6 C8.2
  Top Layer w12: v1(1140.5,709.6) C8.2@1177.04,709.6
  Bottom Layer w12: v1(1045,835) 1045,805.1 v1(1140.5,709.6)
pads on no net: G1.2 G1.4 SD1.1 SD1.8 SD1.9 SD1.14 SD1.15 SD1.TH U1.TH USB1.ID X1.17 X1.19 X1.21 X1.23 X1.24 X2.4 X2.21
copper on no net:
  other v1: -77.53,209.44 175.61,209.44 -55.71,209.84 -33.88,210.24 197.44,209.84 219.26,210.24 -77.53,309.44 1300.42,309.44 -55.71,309.84 -33.88,310.24 1322.25,309.84 1344.07,310.24 -77.53,409.44 -55.71,409.84 -33.88,410.24 -77.53,509.44 -55.71,509.84 -33.88,510.24 1553.57,1209.44 1575.39,1209.84 1597.22,1210.24

## Polygon pours and split planes (outlines as drawn)
GND on Bottom Layer "BOT_GND" (solid, remove dead copper, pour order 0): -106.3,-27.56 -104.33,-45.08 -98.5,-61.72 -89.12,-76.65 -76.65,-89.12 -61.72,-98.5 -45.08,-104.33 -27.56,-106.3 1547.24,-106.3 1564.77,-104.33 1581.41,-98.5 1596.34,-89.12 1608.81,-76.65 1618.19,-61.72 1624.01,-45.08 1625.98,-27.56 1625.98,1547.24 1624.01,1564.77 1618.19,1581.41 1608.81,1596.34 1596.34,1608.81 1581.41,1618.19 1564.77,1624.01 1547.24,1625.98 -27.56,1625.98 -45.08,1624.01 -61.72,1618.19 -76.65,1608.81 -89.12,1596.34 -98.5,1581.41 -104.33,1564.77 -106.3,1547.24
GND on Top Layer "TOP_GND" (solid, remove dead copper, pour order 1): -106.3,-27.56 -104.33,-45.08 -98.5,-61.72 -89.12,-76.65 -76.65,-89.12 -61.72,-98.5 -45.08,-104.33 -27.56,-106.3 1547.24,-106.3 1564.77,-104.33 1581.41,-98.5 1596.34,-89.12 1608.81,-76.65 1618.19,-61.72 1624.01,-45.08 1625.98,-27.56 1625.98,1547.24 1624.01,1564.77 1618.19,1581.41 1608.81,1596.34 1596.34,1608.81 1581.41,1618.19 1564.77,1624.01 1547.24,1625.98 -27.56,1625.98 -45.08,1624.01 -61.72,1618.19 -76.65,1608.81 -89.12,1596.34 -98.5,1581.41 -104.33,1564.77 -106.3,1547.24

## Other copper
Top Layer:
  pour cut-out: 380,565 380,660 505,785 635,785 705,715 705,565

## Silkscreen, mask and mechanical layers (free items; w line width, h text height)
Top Overlay:
  region: -100.45,-44.2 -102.35,-38.77 -102.35,57.07 -31.13,57.07 ccw(c0,0) 57.07,-31.13 57.07,-102.35 -38.77,-102.35 -43.76,-100.6 -60,-94.92 -74.17,-86.01 -86.01,-74.17 -94.92,-60
  lines w5.91: 435,1035 451,1019 451,925.55 ; 1025,705 1034.88,694.96 1150.55,694
  lines w11.81: -106.3,-27.56 -106.3,1547.24 -104.33,1564.77 -98.5,1581.41 -89.12,1596.34 -76.65,1608.81 -61.72,1618.19 -45.08,1624.01 -27.56,1625.98 1547.24,1625.98 1564.77,1624.01 1581.41,1618.19 1596.34,1608.81 1608.81,1596.34 1618.19,1581.41 1624.01,1564.77 1625.98,1547.24 1625.98,-27.56 1624.01,-45.08 1618.19,-61.72 1608.81,-76.65 1596.34,-89.12 1581.41,-98.5 1564.77,-104.33 1547.24,-106.3 -27.56,-106.3 -45.08,-104.33 -61.72,-98.5 -76.65,-89.12 -89.12,-76.65 -98.5,-61.72 -104.33,-45.08 -106.3,-27.56
  text "1" at 4.11,1381.06 h40
  text "2" at 112.38,1381.06 h40
  text "1" at 1382.06,1381.06 h40
  text "2" at 1490.33,1381.06 h40
  text "23" at 1.97,120.6 h40
  text "24" at 110.24,120.08 h40
  text "23" at 1379.92,120.6 h40
  text "24" at 1488.19,120.08 h40
  text "CPU STM32F4" at 1005.88,47.84 h78.74
  text "MicroSat" at 1121.64,-11.36 h78.74
  text "PC13" at 961.9,-70.16 h78.74
  text "rev 1.0" at 1146.77,-69.81 h78.74
Bottom Overlay:
  region: -100.45,-44.2 -102.35,-38.77 -102.35,57.07 -31.13,57.07 ccw(c0,0) 57.07,-31.13 57.07,-102.35 -38.77,-102.35 -43.76,-100.6 -60,-94.92 -74.17,-86.01 -86.01,-74.17 -94.92,-60
  lines w11.81: -106.3,-27.56 -106.3,1547.24 -104.33,1564.77 -98.5,1581.41 -89.12,1596.34 -76.65,1608.81 -61.72,1618.19 -45.08,1624.01 -27.56,1625.98 1547.24,1625.98 1564.77,1624.01 1581.41,1618.19 1596.34,1608.81 1608.81,1596.34 1618.19,1581.41 1624.01,1564.77 1625.98,1547.24 1625.98,-27.56 1624.01,-45.08 1618.19,-61.72 1608.81,-76.65 1596.34,-89.12 1581.41,-98.5 1564.77,-104.33 1547.24,-106.3 -27.56,-106.3 -45.08,-104.33 -61.72,-98.5 -76.65,-89.12 -89.12,-76.65 -98.5,-61.72 -104.33,-45.08 -106.3,-27.56
Border:
  the board outline again, w7.87
Size:
  circle w10: c759.84,759.84 r21.79